# EAGLE board working (EAGLE 7.5.0), part 6 of 8
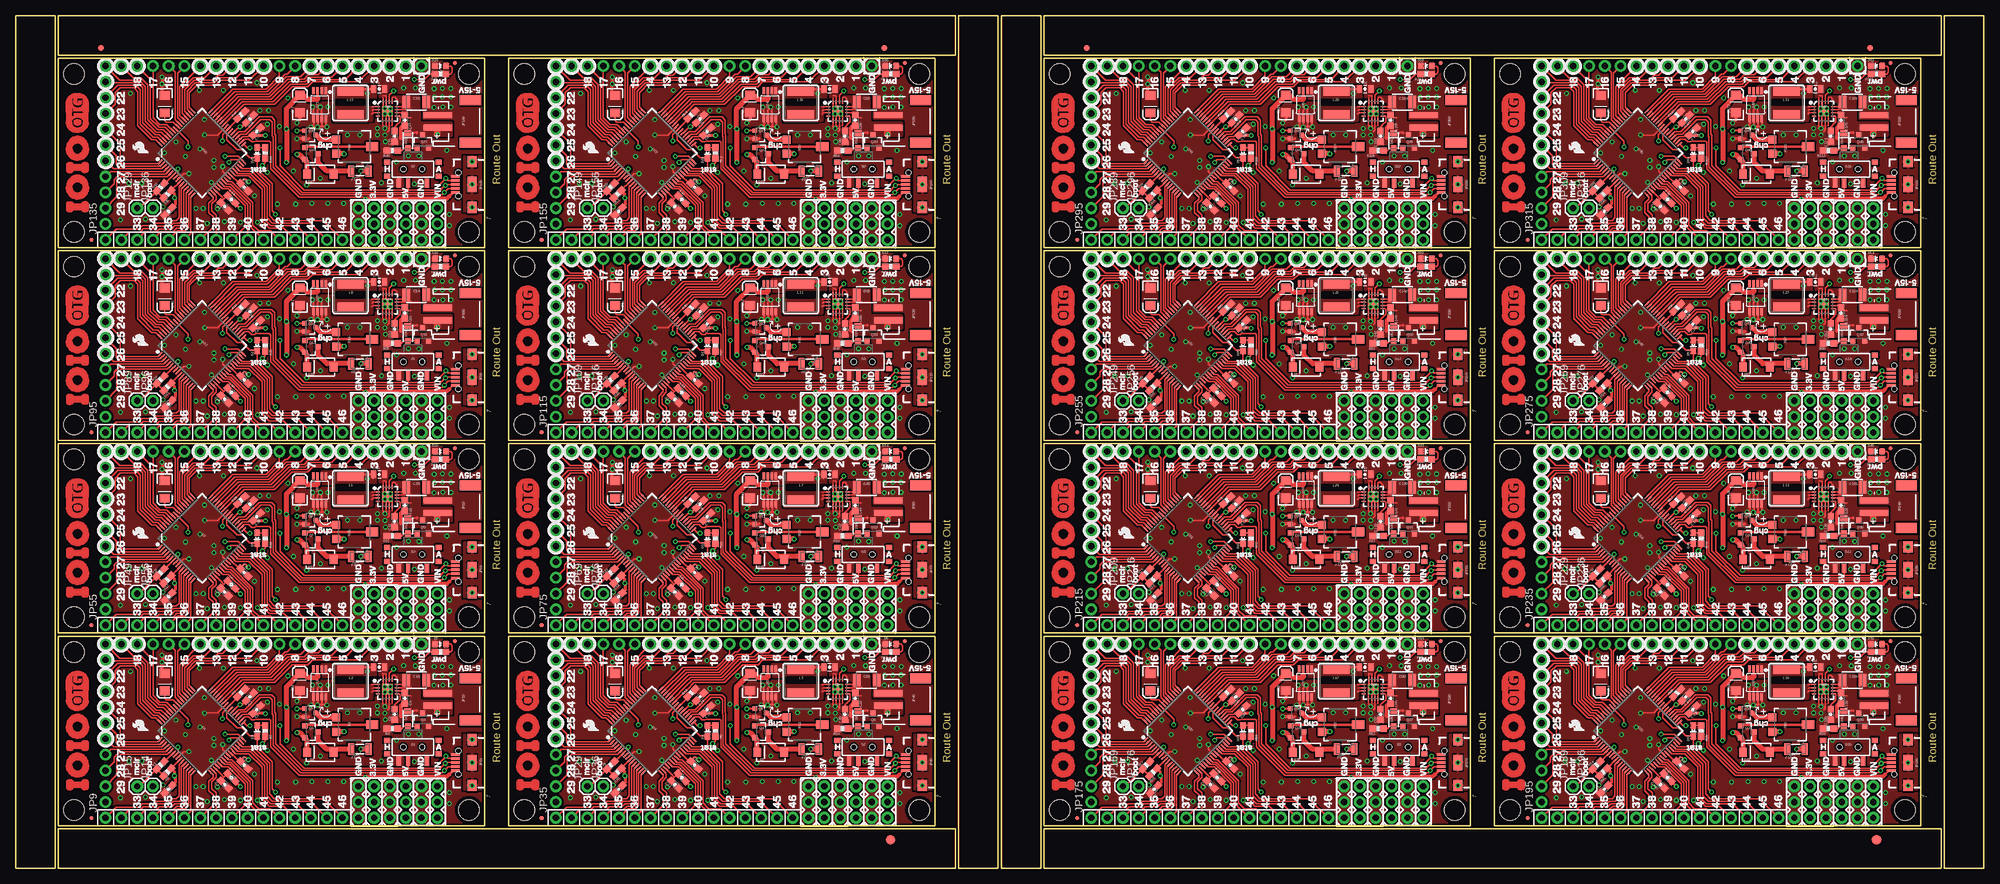
[diagram p0: board, top side]
## Tracks (layer width: path | path; a pad name or v marks a point on that pad's centre or on a via) (continued)
N$75 (continued)
  Top 0.203: C86.1 133.35,119.25 133.66,119.56 133.66,119.57 134.19,120.1 134.19,120.91 134.07,121.02 134.05,121 U23.9
N$76
  Top 0.279: U23.1 129.72,122.52 129.67,122.48 | 129.73,121.88 129.88,122.03 U23.2 | 129.85,121.52 129.66,121.33 | U23.3 129.85,121.52 | 129.85,121.52
  pour Top (isolate 0.152, rank 5, no thermals): 131.06,121.39 131.06,122.66 123.72,122.56 arc90 123.48,122.31 123.47,120.36 arc90 123.73,120.11 129.54,120.12 arc90 129.79,120.38 129.79,121.14 arc-90 130.05,121.39
N$77
  Top 0.203: U22.19 105.45,108.09 105.89,107.64 | 105.89,107.64 105.42,107.17 C78.1 | 105.89,107.64 106.44,108.19 L16.1
N$78
  Top 0.406: R55.B 119.08,116.08 Q22.1
N$79
  Top 0.813: R55.C 121.44,117.23 Q23.3
N$80
  Top 0.203: Q24.1 D32.A 135.44,115.86 134.9,115.86 134.48,115.44 R56.1
N$81
  Top 0.203: C93.A 182.47,27.33 182.73,27.08 183.84,27.08 U25.56
N$82
  Top 0.203: D33.A 198.6,22.98 R58.1
  Top 0.61: 198.53,22.85 R58.1
N$83
  Top 0.203: R60.1 228.47,34.8 228.73,35.05 228.73,35.79 228.45,36.07 D34.A
N$84
  Top 0.813: F9.2 209.68,19.18 | 209.68,19.18 208.53,19.18 207.09,20.62 Q25.3 | D35.A 209.67,19.17 209.68,19.18
N$85
  Top 0.203: C97.1 219.46,26.28 219.77,26.59 219.77,26.6 220.29,27.13 220.29,27.95 220.18,28.06 220.16,28.04 U26.9
N$86
  Top 0.279: U26.1 215.82,29.56 215.78,29.52 | 215.84,28.91 215.99,29.06 U26.2 | 215.96,28.56 215.76,28.37 | U26.3 215.96,28.56 | 215.96,28.56
  pour Top (isolate 0.152, rank 5, no thermals): 217.17,28.43 217.17,29.7 209.83,29.59 arc90 209.59,29.35 209.58,27.4 arc90 209.83,27.14 215.65,27.16 arc90 215.9,27.41 215.9,28.17 arc-90 216.15,28.43
N$87
  Top 0.203: U25.19 191.55,15.12 191.56,15.12 192,14.68 | 192,14.68 191.52,14.2 C89.1 | 192,14.68 192.54,15.23 L18.1
N$88
  Top 0.406: R62.B 205.19,23.11 Q25.1
N$89
  Top 0.813: R62.C 207.55,24.26 Q26.3
N$90
  Top 0.203: Q27.1 D36.A 221.55,22.89 221,22.89 220.58,22.47 R63.1
N$91
  Top 0.203: C104.A 254.86,27.33 255.12,27.08 256.23,27.08 U28.56
N$92
  Top 0.203: D37.A 270.99,22.98 R65.1
  Top 0.61: 270.92,22.85 R65.1
N$93
  Top 0.203: R67.1 300.86,34.8 301.12,35.05 301.12,35.79 300.84,36.07 D38.A
N$94
  Top 0.813: F10.2 282.07,19.18 | 282.07,19.18 280.92,19.18 279.48,20.62 Q28.3 | D39.A 282.06,19.17 282.07,19.18
N$95
  Top 0.203: C108.1 291.85,26.28 292.16,26.59 292.16,26.6 292.68,27.13 292.68,27.95 292.57,28.06 292.55,28.04 U29.9
N$96
  Top 0.279: U29.1 288.21,29.56 288.17,29.52 | 288.23,28.91 288.38,29.06 U29.2 | 288.35,28.56 288.15,28.37 | U29.3 288.35,28.56 | 288.35,28.56
  pour Top (isolate 0.152, rank 5, no thermals): 289.56,28.43 289.56,29.7 282.22,29.59 arc90 281.98,29.35 281.97,27.4 arc90 282.22,27.14 288.04,27.16 arc90 288.29,27.41 288.29,28.17 arc-90 288.54,28.43
N$97
  Top 0.203: U28.19 263.94,15.12 264.39,14.68 | 264.39,14.68 263.91,14.2 C100.1 | 264.39,14.68 264.93,15.23 L20.1
N$98
  Top 0.406: R69.B 277.58,23.11 Q28.1
N$99
  Top 0.813: R69.C 279.94,24.26 Q29.3
N$100
  Top 0.203: Q30.1 D40.A 293.94,22.89 293.39,22.89 292.97,22.47 R70.1
N$101
  Top 0.203: C115.A 182.47,58.32 182.73,58.06 183.84,58.06 U31.56
N$102
  Top 0.203: D41.A 198.6,53.96 R72.1
  Top 0.61: 198.53,53.84 R72.1
N$103
  Top 0.203: R74.1 228.47,65.79 228.73,66.04 228.73,66.78 228.45,67.06 D42.A
N$104
  Top 0.813: F11.2 209.68,50.16 | 209.68,50.16 208.53,50.16 207.09,51.6 Q31.3 | D43.A 209.67,50.16 209.68,50.16
N$105
  Top 0.203: C119.1 219.46,57.27 219.77,57.58 219.77,57.59 220.29,58.12 220.29,58.93 220.18,59.05 220.16,59.03 U32.9
N$106
  Top 0.279: U32.1 215.82,60.55 215.78,60.5 | 215.84,59.9 215.99,60.05 U32.2 | 215.96,59.55 215.76,59.35 | U32.3 215.96,59.55 | 215.96,59.55
  pour Top (isolate 0.152, rank 5, no thermals): 217.17,59.42 217.17,60.69 209.83,60.58 arc90 209.59,60.34 209.58,58.39 arc90 209.83,58.13 215.65,58.15 arc90 215.9,58.4 215.9,59.16 arc-90 216.15,59.42
N$107
  Top 0.203: U31.19 191.55,46.11 191.56,46.11 192,45.67 | 192,45.67 191.52,45.19 C111.1 | 192,45.67 192.54,46.22 L22.1
N$108
  Top 0.406: R76.B 205.19,54.1 Q31.1
N$109
  Top 0.813: R76.C 207.55,55.25 Q32.3
N$110
  Top 0.203: Q33.1 D44.A 221.55,53.88 221,53.88 220.58,53.46 R77.1
N$111
  Top 0.203: C126.A 254.86,58.32 255.12,58.06 256.23,58.06 U34.56
N$112
  Top 0.203: D45.A 270.99,53.96 R79.1
  Top 0.61: 270.92,53.84 R79.1
N$113
  Top 0.203: R81.1 300.86,65.79 301.12,66.04 301.12,66.78 300.84,67.06 D46.A
N$114
  Top 0.813: F12.2 282.07,50.16 | 282.07,50.16 280.92,50.16 279.48,51.6 Q34.3 | D47.A 282.06,50.16 282.07,50.16
N$115
  Top 0.203: C130.1 291.85,57.27 292.16,57.58 292.16,57.59 292.68,58.12 292.68,58.93 292.57,59.05 292.55,59.03 U35.9
N$116
  Top 0.279: U35.1 288.21,60.55 288.17,60.5 | 288.23,59.9 288.38,60.05 U35.2 | 288.35,59.55 288.15,59.35 | U35.3 288.35,59.55 | 288.35,59.55
  pour Top (isolate 0.152, rank 5, no thermals): 289.56,59.42 289.56,60.69 282.22,60.58 arc90 281.98,60.34 281.97,58.39 arc90 282.22,58.13 288.04,58.15 arc90 288.29,58.4 288.29,59.16 arc-90 288.54,59.42
N$117
  Top 0.203: U34.19 263.94,46.11 264.39,45.67 | 264.39,45.67 263.91,45.19 C122.1 | 264.39,45.67 264.93,46.22 L24.1
N$118
  Top 0.406: R83.B 277.58,54.1 Q34.1
N$119
  Top 0.813: R83.C 279.94,55.25 Q35.3
N$120
  Top 0.203: Q36.1 D48.A 293.94,53.88 293.39,53.88 292.97,53.46 R84.1
N$121
  Top 0.203: C137.A 182.47,89.31 182.73,89.05 183.84,89.05 U37.56
N$122
  Top 0.203: D49.A 198.6,84.95 R86.1
  Top 0.61: 198.53,84.82 R86.1
N$123
  Top 0.203: R88.1 228.47,96.77 228.73,97.03 228.73,97.77 228.45,98.04 D50.A
N$124
  Top 0.813: F13.2 209.68,81.15 | 209.68,81.15 208.53,81.15 207.09,82.59 Q37.3 | D51.A 209.67,81.14 209.68,81.15
N$125
  Top 0.203: C141.1 219.46,88.26 219.77,88.57 219.77,88.58 220.29,89.11 220.29,89.92 220.18,90.03 220.16,90.01 U38.9
N$126
  Top 0.279: U38.1 215.82,91.53 215.78,91.49 | 215.84,90.89 215.99,91.04 U38.2 | 215.96,90.53 215.76,90.34 | U38.3 215.96,90.53 | 215.96,90.53
  pour Top (isolate 0.152, rank 5, no thermals): 217.17,90.4 217.17,91.67 209.83,91.57 arc90 209.59,91.33 209.58,89.37 arc90 209.83,89.12 215.65,89.13 arc90 215.9,89.39 215.9,90.15 arc-90 216.15,90.4
N$127
  Top 0.203: U37.19 191.55,77.1 191.56,77.1 192,76.66 | 192,76.66 191.52,76.18 C133.1 | 192,76.66 192.54,77.2 L26.1
N$128
  Top 0.406: R90.B 205.19,85.09 Q37.1
N$129
  Top 0.813: R90.C 207.55,86.24 Q38.3
N$130
  Top 0.203: Q39.1 D52.A 221,84.87 220.58,84.45 R91.1
N$131
  Top 0.203: C148.A 254.86,89.31 255.12,89.05 256.23,89.05 U40.56
N$132
  Top 0.203: D53.A 270.99,84.95 R93.1
  Top 0.61: 270.92,84.82 R93.1
N$133
  Top 0.203: R95.1 300.86,96.77 301.12,97.03 301.12,97.77 300.84,98.04 D54.A
N$134
  Top 0.813: F14.2 282.07,81.15 | 282.07,81.15 280.92,81.15 279.48,82.59 Q40.3 | D55.A 282.06,81.14 282.07,81.15
N$135
  Top 0.203: C152.1 291.85,88.26 292.16,88.57 292.16,88.58 292.68,89.11 292.68,89.92 292.57,90.03 292.55,90.01 U41.9
N$136
  Top 0.279: U41.1 288.21,91.53 288.17,91.49 | 288.23,90.89 288.38,91.04 U41.2 | 288.35,90.53 288.15,90.34 | U41.3 288.35,90.53 | 288.35,90.53
  pour Top (isolate 0.152, rank 5, no thermals): 289.56,90.4 289.56,91.67 282.22,91.57 arc90 281.98,91.33 281.97,89.37 arc90 282.22,89.12 288.04,89.13 arc90 288.29,89.39 288.29,90.15 arc-90 288.54,90.4
N$137
  Top 0.203: U40.19 263.94,77.1 264.39,76.66 | 264.39,76.66 263.91,76.18 C144.1 | 264.39,76.66 264.93,77.2 L28.1
N$138
  Top 0.406: R97.B 277.58,85.09 Q40.1
N$139
  Top 0.813: R97.C 279.94,86.24 Q41.3
N$140
  Top 0.203: Q42.1 D56.A 293.39,84.87 292.97,84.45 R98.1
N$141
  Top 0.203: C159.A 182.47,120.29 182.73,120.04 183.84,120.04 U43.56
N$142
  Top 0.203: D57.A 198.6,115.94 R100.1
  Top 0.61: 198.53,115.81 R100.1
N$143
  Top 0.203: R102.1 228.47,127.76 228.73,128.02 228.73,128.75 228.45,129.03 D58.A
N$144
  Top 0.813: F15.2 209.68,112.14 | 209.68,112.14 208.53,112.14 207.09,113.58 Q43.3 | D59.A 209.67,112.13 209.68,112.14
N$145
  Top 0.203: C163.1 219.46,119.25 219.77,119.56 219.77,119.57 220.29,120.1 220.29,120.91 220.18,121.02 220.16,121 U44.9
N$146
  Top 0.279: U44.1 215.82,122.52 215.78,122.48 | 215.84,121.88 215.99,122.03 U44.2 | 215.96,121.52 215.76,121.33 | U44.3 215.96,121.52 | 215.96,121.52
  pour Top (isolate 0.152, rank 5, no thermals): 217.17,121.39 217.17,122.66 209.83,122.56 arc90 209.59,122.31 209.58,120.36 arc90 209.83,120.11 215.65,120.12 arc90 215.9,120.38 215.9,121.14 arc-90 216.15,121.39
N$147
  Top 0.203: U43.19 191.55,108.09 191.56,108.09 192,107.64 | 192,107.64 191.52,107.17 C155.1 | 192,107.64 192.54,108.19 L30.1
N$148
  Top 0.406: R104.B 205.19,116.08 Q43.1
N$149
  Top 0.813: R104.C 207.55,117.23 Q44.3
N$150
  Top 0.203: Q45.1 D60.A 221.55,115.86 221,115.86 220.58,115.44 R105.1
N$151
  Top 0.203: C170.A 254.86,120.29 255.12,120.04 256.23,120.04 U46.56
N$152
  Top 0.203: D61.A 270.99,115.94 R107.1
  Top 0.61: 270.92,115.81 R107.1
N$153
  Top 0.203: R109.1 300.86,127.76 301.12,128.02 301.12,128.75 300.84,129.03 D62.A
N$154
  Top 0.813: F16.2 282.07,112.14 | 282.07,112.14 280.92,112.14 279.48,113.58 Q46.3 | D63.A 282.06,112.13 282.07,112.14
N$155
  Top 0.203: C174.1 291.85,119.25 292.16,119.56 292.16,119.57 292.68,120.1 292.68,120.91 292.57,121.02 292.55,121 U47.9
N$156
  Top 0.279: U47.1 288.21,122.52 288.17,122.48 | 288.23,121.88 288.38,122.03 U47.2 | 288.35,121.52 288.15,121.33 | U47.3 288.35,121.52 | 288.35,121.52
  pour Top (isolate 0.152, rank 5, no thermals): 289.56,121.39 289.56,122.66 282.22,122.56 arc90 281.98,122.31 281.97,120.36 arc90 282.22,120.11 288.04,120.12 arc90 288.29,120.38 288.29,121.14 arc-90 288.54,121.39
N$157
  Top 0.203: U46.19 263.94,108.09 264.39,107.64 | 264.39,107.64 263.91,107.17 C166.1 | 264.39,107.64 264.93,108.19 L32.1
N$158
  Top 0.406: R111.B 277.58,116.08 Q46.1
N$159
  Top 0.813: R111.C 279.94,117.23 Q47.3
N$160
  Top 0.203: Q48.1 D64.A 293.94,115.86 293.39,115.86 292.97,115.44 R112.1
P1
  Top 0.203: R5.1 R10.2 92.3,13.21 JP29.1
P2
  Top 0.203: R15.1 R17.2 19.91,44.2 JP49.1
P3
  Top 0.203: R22.1 R24.2 92.3,44.2 JP69.1
P4
  Top 0.203: R29.1 R31.2 19.91,75.18 JP89.1
P5
  Top 0.203: R36.1 R38.2 92.3,75.18 JP109.1
P6
  Top 0.203: R43.1 R45.2 19.91,106.17 JP129.1
P7
  Top 0.203: R1.1 R8.2 19.91,13.21 JP15.1
P8
  Top 0.203: R50.1 R52.2 92.3,106.17 JP149.1
P9
  Top 0.203: R57.1 R59.2 178.41,13.21 JP169.1
P10
  Top 0.203: R64.1 R66.2 250.8,13.21 JP189.1
P11
  Top 0.203: R71.1 R73.2 178.41,44.2 JP209.1
P12
  Top 0.203: R78.1 R80.2 250.8,44.2 JP229.1
P13
  Top 0.203: R85.1 R87.2 178.41,75.18 JP249.1
P14
  Top 0.203: R92.1 R94.2 250.8,75.18 JP269.1
P15
  Top 0.203: R99.1 R101.2 178.41,106.17 JP289.1
P16
  Top 0.203: R106.1 R108.2 250.8,106.17 JP309.1
PIN1  (via drill 0.38 pad 0.64)
  Top 0.203: U1.31 35.69,20.98 34.67,20.98 v34.29,20.6
  Bottom 0.203: v34.29,20.6 34.7,21.01 34.7,21.89 34.29,22.3 32.56,22.3 32.05,22.81 32.05,24.33 42.15,34.43 61.1,34.43 JP20.1
PIN2  (via drill 0.38 pad 0.64)
  Top 0.203: U1.32 35.81,21.57 v33.68,21.57
  Bottom 0.203: v33.68,21.57 32.69,21.57 31.65,22.61 31.65,24.56 41.9,34.81 58.94,34.81 JP20.2
PIN3
  Top 0.203: JP20.3 55.12,33.53 47.75,33.53 46.99,32.77 44.48,32.77 41.63,29.92 36.73,29.92 36.33,29.52 36.02,29.21 U1.42
PIN4
  Top 0.203: JP20.4 52.96,33.91 47.52,33.91 46.79,33.17 44.25,33.17 41.4,30.33 36.42,30.33 36.03,29.93 36.03,29.92 35.7,29.59 U1.43
PIN5
  Top 0.203: JP20.5 50.8,34.29 47.3,34.29 46.58,33.58 43.98,33.58 41.13,30.73 36.13,30.73 35.37,29.97 U1.44
PIN6
  Top 0.203: JP20.6 48.64,34.67 47.07,34.67 46.38,33.98 43.74,33.98 40.89,31.14 35.83,31.14 U1.45
PIN7
  Top 0.203: JP20.7 45.82,34.39 43.54,34.39 40.69,31.55 35.53,31.55 U1.46
PIN8
  Top 0.203: 31.75,28.47 U1.47 35.23,31.95 40.49,31.95 43.33,34.8 43.69,34.8 JP20.8
PIN9
  Top 0.203: JP20.9 42.42,34.49 40.28,32.36 34.93,32.36 U1.48
PIN10
  Top 0.203: U1.49 27.94,29.43 27.94,31.81 28.49,32.36 28.5,32.36 29.11,32.97 32.16,32.97 32.97,33.78 37.59,33.78 JP20.10
PIN11
  Top 0.203: U1.50 27.56,29.11 27.56,32.03 28.91,33.38 31.95,33.38 32.77,34.19 35.46,34.19 JP20.11
PIN12
  Top 0.203: U1.51 27.18,28.78 27.18,32.24 28.72,33.78 31.75,33.78 32.56,34.59 33.33,34.59 JP20.12
PIN13
  Top 0.203: U1.52 26.8,28.45 26.8,32.44 28.55,34.19 30.38,34.19 JP20.13
PIN14
  Top 0.203: U1.53 26.42,28.13 26.42,32.77 JP20.14
PIN15
  Top 0.203: U1.54 26.04,27.8 26.04,34.92 JP20.15
PIN16
  Top 0.203: U1.55 25.65,27.48 25.65,35.05 JP20.16
PIN17
  Top 0.203: U1.58 24.34,26.67 23.22,26.67 22.1,27.79 JP20.17
PIN18
  Top 0.203: U1.59 24.04,26.26 23.06,26.26 21.69,27.63 21.69,33.93 JP20.18
PIN19
  Top 0.203: U1.60 23.74,25.86 22.87,25.86 21.29,27.44 21.29,33.04 20.14,34.19 18.9,34.19 JP20.19
PIN20
  Top 0.203: U1.61 23.44,25.45 22.63,25.45 20.88,27.2 20.88,32.78 19.87,33.78 16.76,33.78 JP9.11
PIN21
  Top 0.203: U1.62 23.14,25.04 22.43,25.04 20.47,27 20.47,32.56 19.66,33.38 14.63,33.38 JP9.10
PIN22
  Top 0.203: U1.63 22.84,24.64 22.16,24.64 20.07,26.73 20.07,32.26 19.36,32.97 16.46,32.97 JP9.9
PIN23
  Top 0.203: U1.64 22.54,24.23 21.91,24.23 19.66,26.49 19.66,31.95 19.05,32.56 16.82,32.56 16,31.75 16,29.97 JP9.8
PIN24
  Top 0.203: JP9.7 16.82,23.57 16.82,20.68 17.12,20.37 22.94,20.37 U1.1
PIN25
  Top 0.203: U1.2 23.22,19.94 16.54,19.94 16.2,20.27 16.2,21.64 JP9.6
PIN26
  Top 0.203: U1.3 23.52,19.53 15.77,19.53 JP9.5
PIN27
  Top 0.203: U1.4 23.82,19.13 15.32,19.13 JP9.4
PIN28
  Top 0.203: JP9.3 15.9,17.17 15.9,17.83 16.79,18.72 24.12,18.72 U1.5
PIN29
  Top 0.203: U1.6 24.42,18.31 16.99,18.31 16.31,17.63 16.31,15.04 JP9.2
PIN30  (via drill 0.38 pad 0.64)
  Top 0.203: U1.8 26.14,18.62 v26.14,19.53
  Bottom 0.203: JP9.1 18.8,14.99 22.86,14.99 26.14,18.26 v26.14,19.53
PIN31
  Top 0.203: U1.11 26.29,16.65 26.29,11.66 25.86,11.23 25.06,11.23 24.65,10.81 22.61,10.81 22.16,10.37 20.33,10.37 19.8,9.85 16.2,9.85 JP7.16
PIN32
  Top 0.203: U1.12 26.67,16.32 26.67,11.12 26.36,10.82 25.33,10.82 24.87,10.36 22.84,10.36 22.38,9.9 20.56,9.9 20.04,9.38 18.27,9.38 JP7.15
PIN33
  Top 0.203: U1.13 27.05,15.99 27.05,10.69 26.77,10.41 25.62,10.41 25.09,9.89 23.07,9.89 22.6,9.42 20.85,9.42 JP7.14
PIN34
  Top 0.203: U1.14 27.43,15.67 27.43,10.36 27.08,10.01 25.91,10.01 25.31,9.41 23.38,9.41 JP7.13
PIN35
  Top 0.203: U1.15 27.81,15.34 27.81,10.13 27.28,9.6 26.11,9.6 JP7.12
PIN36
  Top 0.203: U1.16 28.19,15.02 28.19,9.14 JP7.11
PIN37
  Top 0.203: U1.17 31.75,15.02 31.75,14.68 31.09,14.02 31.09,12.5 31.75,11.84 31.75,10.16 JP7.10
PIN38
  Top 0.203: U1.18 32.13,15.34 32.23,15.24 32.23,14.61 31.57,13.95 31.57,12.8 32.26,12.12 JP7.9
PIN39
  Top 0.203: U1.21 33.28,16.32 34.23,16.32 36.93,13.61 36.93,10.26 JP7.8
PIN40
  Top 0.203: U1.22 33.6,16.7 34.4,16.7 37.34,13.77 JP7.7
PIN41
  Top 0.203: U1.23 33.93,17.08 34.58,17.08 37.74,13.92 37.74,10.26 JP7.6
PIN42
  Top 0.203: U1.24 34.25,17.46 34.76,17.46 38.15,14.07 38.15,10.52 39.06,9.6 40.95,9.6 JP7.5
PIN43
  Top 0.203: U1.27 34.93,18.92 35.43,18.41 37.52,18.41 39.62,16.31 39.62,11.18 40.79,10.01 43.08,10.01 JP7.4
PIN44
  Top 0.203: U1.28 35.75,18.8 37.74,18.8 40.03,16.51 40.03,11.38 41,10.41 45.21,10.41 JP7.3
PIN45
  Top 0.203: U1.29 36.08,19.18 37.97,19.18 40.44,16.71 40.44,11.68 41.3,10.82 47.35,10.82 JP7.2
PIN46
  Top 0.203: U1.30 36.4,19.56 38.2,19.56 40.84,16.92 40.84,11.99 41.6,11.23 49.48,11.23 JP7.1
PIN47  (via drill 0.38 pad 0.64)
  Top 0.203: U4.32 108.2,21.57 v106.07,21.57
  Bottom 0.203: v106.07,21.57 105.08,21.57 104.04,22.61 104.04,24.56 114.28,34.81 131.33,34.81 JP32.2
PIN48  (via drill 0.38 pad 0.64)
  Top 0.203: U4.31 108.08,20.98 107.06,20.98 v106.68,20.6
  Bottom 0.203: v106.68,20.6 107.09,21.01 107.09,21.89 106.68,22.3 104.95,22.3 104.44,22.81 104.44,24.33 114.54,34.43 133.49,34.43 JP32.1
PIN49
  Top 0.203: U4.52 99.19,28.45 99.19,32.44 100.94,34.19 102.77,34.19 JP32.13
PIN50
  Top 0.203: U4.29 108.47,19.18 110.36,19.18 112.83,16.71 112.83,11.68 113.69,10.82 119.74,10.82 JP31.2
PIN51
  Top 0.203: U4.24 106.64,17.46 107.15,17.46 110.54,14.07 110.54,10.52 111.45,9.6 113.33,9.6 JP31.5
PIN52
  Top 0.203: U4.23 106.32,17.08 106.97,17.08 110.13,13.92 110.13,10.26 JP31.6
PIN53
  Top 0.203: U4.21 105.67,16.32 106.62,16.32 109.32,13.61 109.32,10.26 JP31.8
PIN54
  Top 0.203: U4.11 98.68,16.65 98.68,11.66 98.25,11.23 97.45,11.23 97.04,10.81 95,10.81 94.55,10.37 92.72,10.37 92.19,9.85 88.58,9.85 JP31.16
PIN55
  Top 0.203: U4.12 99.06,16.32 99.06,11.12 98.75,10.82 97.72,10.82 97.26,10.36 95.22,10.36 94.77,9.9 92.95,9.9 92.43,9.38 90.66,9.38 JP31.15
PIN56
  Top 0.203: U4.13 99.44,15.99 99.44,10.69 99.16,10.41 98.01,10.41 97.48,9.89 95.46,9.89 94.99,9.42 93.24,9.42 JP31.14
PIN57
  Top 0.203: U4.14 99.82,15.67 99.82,10.36 99.47,10.01 98.3,10.01 97.7,9.41 95.77,9.41 JP31.13
PIN58
  Top 0.203: U4.15 100.2,15.34 100.2,10.13 99.67,9.6 98.5,9.6 JP31.12
PIN59
  Top 0.203: U4.16 100.58,15.02 100.58,9.14 JP31.11
PIN60
  Top 0.203: JP32.9 114.81,34.49 112.67,32.36 107.32,32.36 U4.48
PIN61  (via drill 0.38 pad 0.64)
  Top 0.203: U4.8 98.53,18.62 v98.53,19.53
  Bottom 0.203: JP35.1 91.19,14.99 95.25,14.99 98.53,18.26 v98.53,19.53
PIN62
  Top 0.203: U4.6 96.81,18.31 89.38,18.31 88.7,17.63 88.7,15.04 JP35.2
PIN63
  Top 0.203: JP35.3 88.29,17.17 88.29,17.83 89.18,18.72 96.51,18.72 U4.5
PIN64
  Top 0.203: U4.4 96.21,19.13 87.71,19.13 JP35.4
PIN65
  Top 0.203: U4.17 104.14,15.02 104.14,14.68 103.48,14.02 103.48,12.5 104.14,11.84 104.14,10.16 JP31.10
PIN66
  Top 0.203: U4.18 104.52,15.34 104.62,15.24 104.62,14.61 103.96,13.95 103.96,12.8 104.65,12.12 JP31.9
PIN67
  Top 0.203: U4.22 105.99,16.7 106.79,16.7 109.73,13.77 JP31.7
PIN68
  Top 0.203: U4.27 107.32,18.92 107.82,18.41 109.91,18.41 112.01,16.31 112.01,11.18 113.18,10.01 115.47,10.01 JP31.4
PIN69
  Top 0.203: U4.28 108.14,18.8 110.13,18.8 112.42,16.51 112.42,11.38 113.39,10.41 117.6,10.41 JP31.3
PIN70
  Top 0.203: U4.30 108.79,19.56 110.59,19.56 113.23,16.92 113.23,11.99 114,11.23 121.87,11.23 JP31.1
PIN71
  Top 0.203: 104.14,28.47 U4.47 107.62,31.95 112.88,31.95 115.72,34.8 116.08,34.8 JP32.8
PIN72
  Top 0.203: U4.59 96.43,26.26 95.45,26.26 94.08,27.63 94.08,33.93 JP32.18
PIN73
  Top 0.203: U4.58 96.73,26.67 95.61,26.67 94.49,27.79 JP32.17
PIN74
  Top 0.203: U4.3 95.91,19.53 88.16,19.53 JP35.5
PIN75
  Top 0.203: U4.2 95.61,19.94 88.92,19.94 88.59,20.27 88.59,21.64 JP35.6
PIN76
  Top 0.203: JP35.7 89.2,23.57 89.2,20.68 89.51,20.37 95.33,20.37 U4.1
PIN77
  Top 0.203: U4.64 94.92,24.23 94.31,24.23 92.05,26.49 92.05,31.95 91.44,32.56 89.2,32.56 88.39,31.75 88.39,29.97 JP35.8
PIN78
  Top 0.203: U4.63 95.23,24.64 94.55,24.64 92.46,26.73 92.46,32.26 91.75,32.97 88.85,32.97 JP35.9
PIN79
  Top 0.203: U4.62 95.53,25.04 94.82,25.04 92.86,27 92.86,32.56 92.05,33.38 87.02,33.38 JP35.10
PIN80
  Top 0.203: U4.61 95.83,25.45 95.02,25.45 93.27,27.2 93.27,32.78 92.26,33.78 89.15,33.78 JP35.11
PIN81
  Top 0.203: U4.60 96.13,25.86 95.26,25.86 93.67,27.44 93.67,33.04 92.53,34.19 91.29,34.19 JP32.19
PIN82
  Top 0.203: JP32.6 121.03,34.67 119.46,34.67 118.77,33.98 116.13,33.98 113.28,31.14 108.22,31.14 U4.45
PIN83
  Top 0.203: JP32.5 123.19,34.29 119.69,34.29 118.97,33.58 116.37,33.58 113.52,30.73 108.52,30.73 107.76,29.97 U4.44
PIN84
  Top 0.203: JP32.4 125.35,33.91 119.91,33.91 119.18,33.17 116.64,33.17 113.79,30.33 108.81,30.33 108.42,29.93 108.42,29.92 108.09,29.59 U4.43
PIN85
  Top 0.203: JP32.3 127.51,33.53 120.14,33.53 119.38,32.77 116.87,32.77 114.02,29.92 109.12,29.92 108.72,29.52 108.41,29.21 U4.42
PIN86
  Top 0.203: U4.55 98.04,27.48 98.04,35.05 JP32.16
PIN87
  Top 0.203: U4.54 98.42,27.8 98.42,34.92 JP32.15
PIN88
  Top 0.203: U4.53 98.81,28.13 98.81,32.77 JP32.14
PIN89
  Top 0.203: U4.51 99.57,28.78 99.57,32.24 101.11,33.78 104.14,33.78 104.95,34.59 105.72,34.59 JP32.12
PIN90
  Top 0.203: U4.50 99.95,29.11 99.95,32.03 101.3,33.38 104.34,33.38 105.16,34.19 107.85,34.19 JP32.11
PIN91
  Top 0.203: U4.49 100.33,29.43 100.33,31.81 100.88,32.36 100.89,32.36 101.5,32.97 104.55,32.97 105.36,33.78 109.98,33.78 JP32.10
PIN92
  Top 0.203: JP32.7 118.21,34.39 115.93,34.39 113.08,31.55 107.92,31.55 U4.46
PIN93  (via drill 0.38 pad 0.64)
  Top 0.203: U7.32 35.81,52.55 v33.68,52.55
  Bottom 0.203: v33.68,52.55 32.69,52.55 31.65,53.59 31.65,55.55 41.9,65.8 58.94,65.8 JP52.2
PIN94  (via drill 0.38 pad 0.64)
  Top 0.203: U7.31 35.69,51.97 34.67,51.97 v34.29,51.59
  Bottom 0.203: v34.29,51.59 34.7,51.99 34.7,52.88 34.29,53.29 32.56,53.29 32.05,53.8 32.05,55.32 42.15,65.42 61.1,65.42 JP52.1
PIN95
  Top 0.203: U7.52 26.8,59.44 26.8,63.43 28.55,65.18 30.38,65.18 JP52.13
PIN96
  Top 0.203: U7.29 36.08,50.16 37.97,50.16 40.44,47.7 40.44,42.67 41.3,41.81 47.35,41.81 JP51.2
PIN97
  Top 0.203: U7.24 34.25,48.45 34.76,48.45 38.15,45.06 38.15,41.5 39.06,40.59 40.95,40.59 JP51.5
PIN98
  Top 0.203: U7.23 33.93,48.07 34.58,48.07 37.74,44.91 37.74,41.25 JP51.6
PIN99
  Top 0.203: U7.21 33.28,47.31 34.23,47.31 36.93,44.6 36.93,41.25 JP51.8
PIN100
  Top 0.203: U7.11 26.29,47.63 26.29,42.65 25.86,42.22 25.06,42.22 24.65,41.8 22.61,41.8 22.16,41.36 20.33,41.36 19.8,40.83 16.2,40.83 JP51.16
PIN101
  Top 0.203: U7.12 26.67,47.31 26.67,42.11 26.36,41.81 25.33,41.81 24.87,41.35 22.84,41.35 22.38,40.89 20.56,40.89 20.04,40.37 18.27,40.37 JP51.15
PIN102
  Top 0.203: U7.13 27.05,46.98 27.05,41.68 26.77,41.4 25.62,41.4 25.09,40.87 23.07,40.87 22.6,40.41 20.85,40.41 JP51.14
PIN103
  Top 0.203: U7.14 27.43,46.66 27.43,41.35 27.08,41 25.91,41 25.31,40.4 23.38,40.4 JP51.13
PIN104
  Top 0.203: U7.15 27.81,46.33 27.81,41.12 27.28,40.59 26.11,40.59 JP51.12
PIN105
  Top 0.203: U7.16 28.19,46.01 28.19,40.13 JP51.11
PIN106
  Top 0.203: JP52.9 42.42,65.48 40.28,63.35 34.93,63.35 U7.48
PIN107  (via drill 0.38 pad 0.64)
  Top 0.203: U7.8 26.14,49.6 v26.14,50.52
  Bottom 0.203: JP55.1 18.8,45.97 22.86,45.97 26.14,49.25 v26.14,50.52
PIN108
  Top 0.203: U7.6 24.42,49.3 16.99,49.3 16.31,48.62 16.31,46.02 JP55.2
PIN109
  Top 0.203: JP55.3 15.9,48.16 15.9,48.82 16.79,49.71 24.12,49.71 U7.5
PIN110
  Top 0.203: U7.4 23.82,50.11 15.32,50.11 JP55.4
PIN111
  Top 0.203: U7.17 31.75,46.01 31.75,45.67 31.09,45.01 31.09,43.48 31.75,42.82 31.75,41.15 JP51.10
PIN112
  Top 0.203: U7.18 32.13,46.33 32.23,46.23 32.23,45.59 31.57,44.93 31.57,43.79 32.26,43.1 JP51.9
PIN113
  Top 0.203: U7.22 33.6,47.69 34.4,47.69 37.34,44.76 JP51.7
PIN114
  Top 0.203: U7.27 34.93,49.9 35.43,49.4 37.52,49.4 39.62,47.3 39.62,42.16 40.79,41 43.08,41 JP51.4
PIN115
  Top 0.203: U7.28 35.75,49.78 37.74,49.78 40.03,47.5 40.03,42.37 41,41.4 45.21,41.4 JP51.3
PIN116
  Top 0.203: U7.30 36.4,50.55 38.2,50.55 40.84,47.9 40.84,42.98 41.6,42.22 49.48,42.22 JP51.1
PIN117
  Top 0.203: U7.47 35.23,62.94 40.49,62.94 43.33,65.79 43.69,65.79 JP52.8
PIN118
  Top 0.203: U7.59 24.04,57.25 23.06,57.25 21.69,58.62 21.69,64.92 JP52.18
PIN119
  Top 0.203: U7.58 24.34,57.66 23.22,57.66 22.1,58.78 JP52.17
PIN120
  Top 0.203: U7.3 23.52,50.52 15.77,50.52 JP55.5
PIN121
  Top 0.203: U7.2 23.22,50.93 16.54,50.93 16.2,51.26 16.2,52.63 JP55.6
PIN122
  Top 0.203: JP55.7 16.82,54.56 16.82,51.66 17.12,51.36 22.94,51.36 U7.1
PIN123
  Top 0.203: U7.64 22.54,55.22 21.91,55.22 19.66,57.48 19.66,62.94 19.05,63.55 16.82,63.55 16,62.74 16,60.96 JP55.8
PIN124
  Top 0.203: U7.63 22.84,55.63 22.16,55.63 20.07,57.72 20.07,63.25 19.36,63.96 16.46,63.96 JP55.9
PIN125
  Top 0.203: U7.62 23.14,56.03 22.43,56.03 20.47,57.99 20.47,63.55 19.66,64.36 14.63,64.36 JP55.10
PIN126
  Top 0.203: U7.61 23.44,56.44 22.63,56.44 20.88,58.19 20.88,63.76 19.87,64.77 16.76,64.77 JP55.11
PIN127
  Top 0.203: U7.60 23.74,56.84 22.87,56.84 21.29,58.43 21.29,64.03 20.14,65.18 18.9,65.18 JP52.19
PIN128
  Top 0.203: JP52.6 48.64,65.66 47.07,65.66 46.38,64.97 43.74,64.97 40.89,62.13 35.83,62.13 U7.45
PIN129
  Top 0.203: JP52.5 50.8,65.28 47.3,65.28 46.58,64.57 43.98,64.57 41.13,61.72 36.13,61.72 35.37,60.96 U7.44
PIN130
  Top 0.203: JP52.4 52.96,64.9 47.52,64.9 46.79,64.16 44.25,64.16 41.4,61.32 36.42,61.32 36.03,60.92 36.03,60.91 35.7,60.58 U7.43
PIN131
  Top 0.203: JP52.3 55.12,64.52 47.75,64.52 46.99,63.75 44.48,63.75 41.63,60.91 36.73,60.91 36.33,60.51 36.33,60.5 36.02,60.2 U7.42
PIN132
  Top 0.203: U7.55 25.65,58.47 25.65,66.04 JP52.16
PIN133
  Top 0.203: U7.54 26.04,58.79 26.04,65.91 JP52.15
PIN134
  Top 0.203: U7.53 26.42,59.12 26.42,63.75 JP52.14
PIN135
  Top 0.203: U7.51 27.18,59.77 27.18,63.22 28.72,64.77 31.75,64.77 32.56,65.58 33.33,65.58 JP52.12
PIN136
  Top 0.203: U7.50 27.56,60.09 27.56,63.02 28.91,64.36 31.95,64.36 32.77,65.18 35.46,65.18 JP52.11
PIN137
  Top 0.203: U7.49 27.94,60.42 27.94,62.8 28.49,63.35 28.5,63.35 29.11,63.96 32.16,63.96 32.97,64.77 37.59,64.77 JP52.10
PIN138
  Top 0.203: JP52.7 45.82,65.38 43.54,65.38 40.69,62.53 35.53,62.53 U7.46
PIN139  (via drill 0.38 pad 0.64)
  Top 0.203: U10.32 108.2,52.55 v106.07,52.55
  Bottom 0.203: v106.07,52.55 105.08,52.55 104.04,53.59 104.04,55.55 114.28,65.8 131.33,65.8 JP72.2
PIN140  (via drill 0.38 pad 0.64)
  Top 0.203: U10.31 108.08,51.97 107.06,51.97 v106.68,51.59
  Bottom 0.203: v106.68,51.59 107.09,51.99 107.09,52.88 106.68,53.29 104.95,53.29 104.44,53.8 104.44,55.32 114.54,65.42 133.49,65.42 JP72.1
PIN141
  Top 0.203: U10.52 99.19,59.44 99.19,63.43 100.94,65.18 102.77,65.18 JP72.13